# Altium PCB PCB1.PcbDoc
Units mm, origin at the board's own origin, x right, y up, seen from the top; angles counter-clockwise.
Board outline 152.4 x 101.6 mm, 2 copper layers (Top Layer, Bottom Layer); 41 components, 44 nets, 173 pads, 0 vias.
Unrouted connection lines stored in the file: 106.
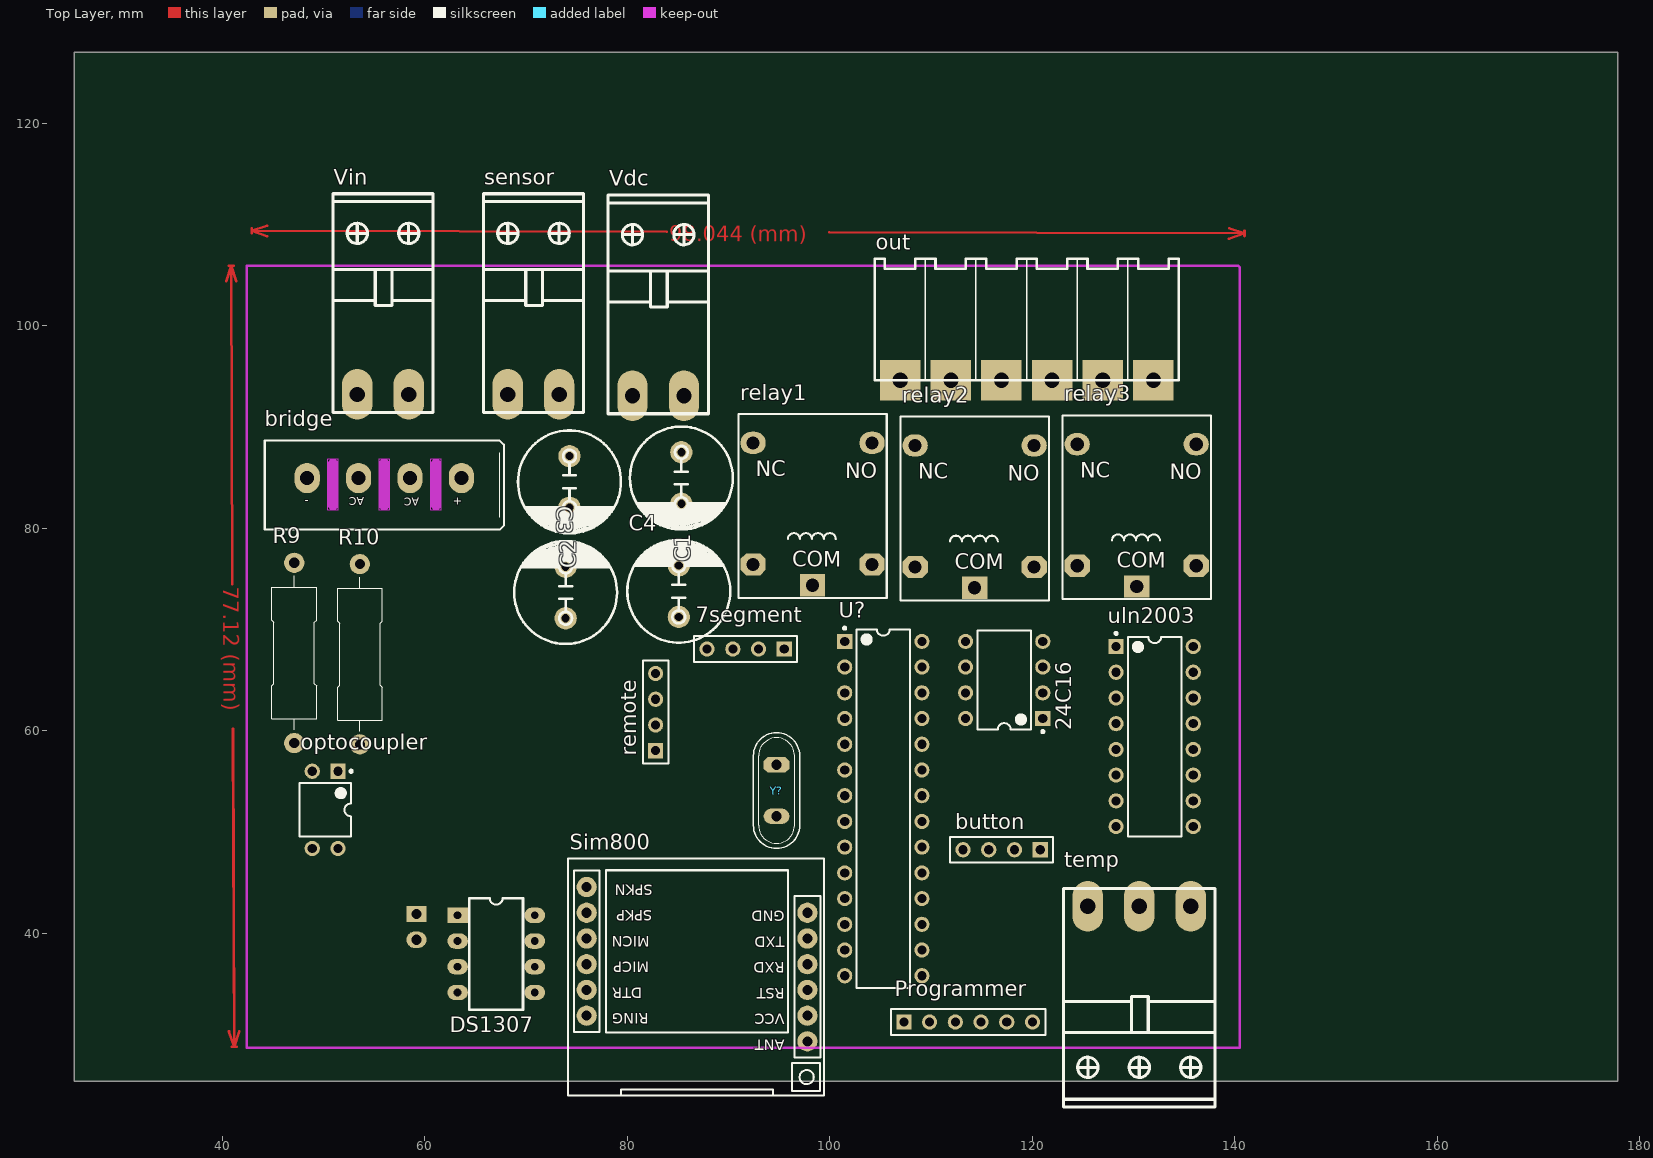
[diagram p0: Top Layer view]
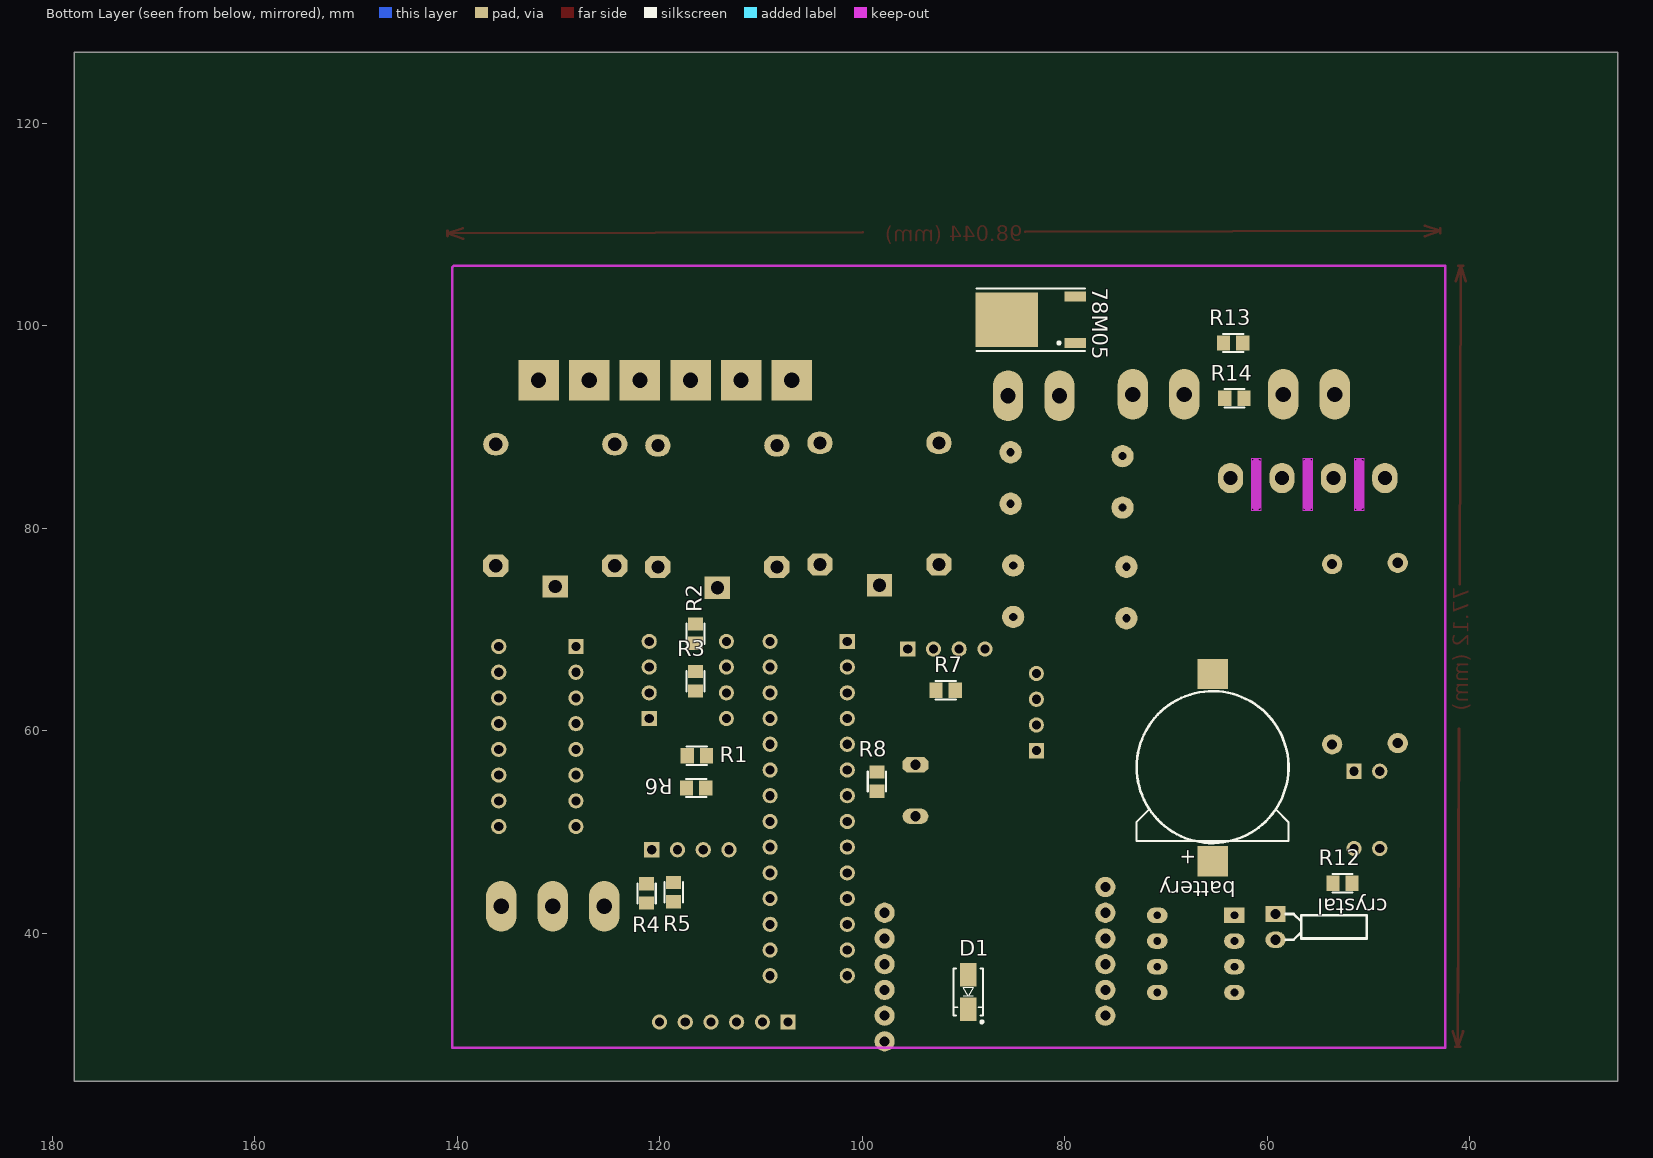
[diagram p1: Bottom Layer view, seen from below]

## Layer stack, top to bottom
Top Solder: solder mask 0.0102, Solder Resist, Dk 3.5
Top Layer: signal copper 0.0356
Dielectric 1: dielectric 0.32, FR-4, Dk 4.8
Bottom Layer: signal copper 0.0356
Bottom Solder: solder mask 0.0102, Solder Resist, Dk 3.5

## Board outline
25.4,25.4 177.8,25.4 177.8,127 25.4,127

## Design rules (kind name [scope] priority, off if disabled: settings)
Clearance [All] p1: gap=0.2 ignorepadtopadclearanceinfootprint=FALSE
PolygonConnect [All] p1: connectstyle=Relief reliefconductorwidth=0.254 reliefentries=4 polygonreliefangle="90 Angle" airgapwidth=0.254
RoutingLayers [All] p1: top layer_v5=FALSE bottom layer_v5=TRUE
RoutingVias [All] p1: holewidth=0.711 width=1.27 viastyle="Through Hole" minholewidth=0.711 minwidth=1.27 maxholewidth=0.711 maxwidth=1.27
SolderMaskExpansion [All] p1: expansion=0.102 istentingtop=FALSE
Width [All] p1: maxlimit=2 minlimit=0.3 preferedwidth=0.5
29 further rules are at their usual default settings.

## Components (designator, comment, footprint, x,y, rotation, side; value= is the part's Value field where it differs from the comment)
7segment "7segment" HDR1X4 95.504,68.072 r180 top
24C16 "24C02C-I/P" PDIP300-P8 117.221,65.024 r180 top
78M05 "L78M05" TO-252 82.35,100.584 r90 bottom
battery "BATTERY 3V 1220" "BATT SMD" 65.405,47.117 r90 bottom (schematic designator *)
bridge "Bridge KBU PACKAGE" "Bridge KBU PACKAGE" 66.871,86.908 r180 top
button "button" HDR1X4 120.777,48.26 r180 top
C1 "470uF" CAP_POL5 85.344,87.503 r270 top value=100pF
C2 "470uF" CAP_POL5 74.295,87.122 r270 top value=100pF
C3 "470uF" CAP_POL5 73.914,71.12 r90 top value=100pF
C4 "470uF" CAP_POL5 85.09,71.247 r90 top value=100pF
crystal "22pF" XTAL-DT26 59.182,41.91 r270 bottom
D1 "1n4007" DIOM4629X24N 89.535,34.212 r270 bottom
DS1307 "DS1307" DIP8 63.246,41.783 r270 top
optocoupler "Optoisolator1" DIP-4 50.165,52.197 r270 top
out "PHOENIX 6" "phonix 6" 131.953,94.615 r180 top
Programmer "programmer" HDR1X6 107.315,31.242 r0 top
R1 "RES" CC2012-0805 116.332,57.531 r180 bottom
R2 "RES" CC2012-0805 116.459,69.596 r270 bottom
R3 "RES" CC2012-0805 116.459,64.897 r270 bottom
R4 "RES" CC2012-0805 121.285,43.942 r270 bottom
R5 "RES" CC2012-0805 118.618,44.069 r270 bottom
R6 "RES" CC2012-0805 116.398,54.356 r0 bottom
R7 "RES" CC2012-0805 91.76,64.008 r180 bottom
R8 "RES" CC2012-0805 98.552,54.991 r270 bottom
R9 "1K" "Axial 1W  7_0mm" 47.117,67.691 r270 top
R10 "1K" "Axial 1W  7_0mm" 53.594,67.564 r270 top
R12 "RES" CC2012-0805 52.578,44.958 r0 bottom
R13 "RES" CC2012-0805 63.373,98.298 r180 bottom
R14 "RES" CC2012-0805 63.246,92.837 r180 bottom
relay1 "" "Relay 18.85x15.35x15.70" 98.298,81.407 r0 top
relay2 "" "Relay 18.85x15.35x15.70" 114.3,81.153 r0 top
relay3 "" "Relay 18.85x15.35x15.70" 130.302,81.28 r0 top
remote "remote" HDR1X4 82.804,58.039 r90 top
sensor "PHONIX2" PHONIX2 73.279,93.218 r0 top
Sim800 "SIM800L" SIM800L_L250W236H60 86.89,36.957 r180 top
temp "PHONIX3" PHONIX3 135.636,42.672 r180 top
U? "ATmega8-16PU" 28P3 105.283,52.324 r0 top
uln2003 "ULN2003AN" N0016A 132.08,59.436 r0 top
Vdc "PHONIX2" PHONIX2 85.598,93.091 r0 top
Vin "PHONIX2" PHONIX2 58.42,93.218 r0 top
Y? "6 MHz" My_Crystal 94.742,54.102 r270 top

## Footprints (in the part's own frame and the unit in brackets; to place one, negate y for a bottom-side part, rotate by r counter-clockwise, add the part's x,y. Pads: shape width x height; smd on the part's side, far side on the other; paste and mask are expansions set on the pad)
28P3 [mm] "28-Pin Plastic Dual In-Line Package (PDIP)"
  rect 1.5x1.5 hole 0.9: 1(-3.81,16.51)
  round 1.5 hole 0.9: 2(-3.81,13.97) 3(-3.81,11.43) 4(-3.81,8.89) 5(-3.81,6.35) 6(-3.81,3.81) 7(-3.81,1.27) 8(-3.81,-1.27) 9(-3.81,-3.81) 10(-3.81,-6.35) 11(-3.81,-8.89) 12(-3.81,-11.43) 13(-3.81,-13.97) 14(-3.81,-16.51) 15(3.81,-16.51) 16(3.81,-13.97) 17(3.81,-11.43) 18(3.81,-8.89) 19(3.81,-6.35) 20(3.81,-3.81) 21(3.81,-1.27) 22(3.81,1.27) 23(3.81,3.81) 24(3.81,6.35) 25(3.81,8.89) 26(3.81,11.43) 27(3.81,13.97) 28(3.81,16.51)
  silkscreen extent -3.93,-17.7 2.65,17.93, body extent -3.6,-17.65 3.6,17.65, height 4.58
"Axial 1W  7_0mm" [mm] "Designer Abbas Basereh"
  round 2 hole 1: 1(8.9,0) 2(-8.9,0)
  silkscreen extent -7.6,-2.2 7.6,2.2, body extent -9.26,-2.25 9.27,2.25, height 5.22
"BATT SMD" [mm]
  rect 3x3 smd: 1(0,0) 2(18.5,0)
  silkscreen extent 1.8,-7.5 16.8,7.5, body extent -0.28,-7.25 18.52,7.5, height 4.23
"Bridge KBU PACKAGE" [mm]
  oval 2.5x3 hole 1.4: 1(3.244,1.945) 2(8.324,1.945) 3(13.404,1.945) 4(18.484,1.945)
  Keep-Out Layer board cut-out: 5.264,5.145 6.264,5.145 6.264,0.045 5.264,0.045
  Keep-Out Layer board cut-out: 10.364,5.145 11.364,5.145 11.364,0.045 10.364,0.045
  Keep-Out Layer board cut-out: 15.464,5.145 16.464,5.145 16.464,0.045 15.464,0.045
  Keep-Out Layer lines w1: 15.939,4.67 15.939,0.52 ; 10.864,4.67 10.864,0.52 ; 5.764,4.67 5.764,0.52
  silkscreen extent -0.94,-1.76 22.66,7.05, body extent -0.75,-1.61 22.45,6.9, height 19.6
CAP_POL5 [mm]
  round 2.2 hole 0.8: 1(0,0) 2(5.08,0)
  silkscreen extent -2.54,-5.08 7.62,5.08, body extent -1.5,-4 6.5,4, height 12
CC2012-0805 [mm] "Surface Mount Capacitor; 0805 Case Size"
  rect 1.3x1.5 smd: 1(-0.95,0) 2(0.95,0)
  silkscreen extent -1,-0.9 1,0.9
DIOM4629X24N [mm] "Molded Diode, 2-Leads, Body 4/60x2/90mm, IPC Medium Density-Design:Abbas Basereh"
  rect 2.3x1.6 smd: 1(-1.7,0) 2(1.7,0)
  silkscreen extent -2.3,-1.45 3.07,1.47, body extent -2.5,-1.22 2.5,1.48, height 2.2
DIP8 [mil]
  rect 60x80 hole 30: 1(0,0)
  oval 60x80 hole 30: 2(100,0) 3(200,0) 4(300,0) 5(300,300) 6(200,300) 7(100,300) 8(0,300)
  silkscreen extent -67,46 367,254
DIP-4 [mm] "DIP; 4 Leads; Row Spacing 7.62 mm; Pitch 2.54 mm"
  rect 1.5x1.5 hole 0.9: 1(-3.81,1.27)
  round 1.5 hole 0.9: 2(-3.81,-1.27) 3(3.81,-1.27) 4(3.81,1.27)
  silkscreen extent -3.93,-2.55 2.65,2.7, body extent -3.15,-2.5 3.15,2.5, height 5.6
HDR1X4 [mm] "Connector; Header; 4 Position"
  rect 1.5x1.5 hole 0.9: 1(0,0)
  round 1.5 hole 0.9: 2(2.54,0) 3(5.08,0) 4(7.62,0)
  silkscreen extent -1.27,-1.27 8.89,1.27, body extent -1.27,-1.28 8.89,1.26, height 8.38
HDR1X6 [mm] "Connector; Header; 6 Position"
  rect 1.5x1.5 hole 0.9: 1(0,0)
  round 1.5 hole 0.9: 2(2.54,0) 3(5.08,0) 4(7.62,0) 5(10.16,0) 6(12.7,0)
  silkscreen extent -1.27,-1.27 13.97,1.27, body extent -1.26,-1.25 13.98,1.29, height 8.38
My_Crystal [mil]
  oct 60x100 hole 40: 1(-100,0)
  oval 60x100 hole 40: 2(100,0)
  silkscreen extent -225,-90 225,90
N0016A [mm] "DIP, 16-Leads, Body 19.7x6.6mm, Pitch 2.54mm"
  rect 1.5x1.5 hole 0.9: 1(-3.81,8.89)
  round 1.5 hole 0.9: 2(-3.81,6.35) 3(-3.81,3.81) 4(-3.81,1.27) 5(-3.81,-1.27) 6(-3.81,-3.81) 7(-3.81,-6.35) 8(-3.81,-8.89) 9(3.81,-8.89) 10(3.81,-6.35) 11(3.81,-3.81) 12(3.81,-1.27) 13(3.81,1.27) 14(3.81,3.81) 15(3.81,6.35) 16(3.81,8.89)
  silkscreen extent -3.93,-9.85 2.65,10.31, body extent -3.95,-9.85 3.95,9.85, height 5.08
PDIP300-P8 [mm] "8-Pin Plastic Dual In-Line Package (PDIP)"
  rect 1.5x1.5 hole 0.9: 1(-3.81,3.81)
  round 1.5 hole 0.9: 2(-3.81,1.27) 3(-3.81,-1.27) 4(-3.81,-3.81) 5(3.81,-3.81) 6(3.81,-1.27) 7(3.81,1.27) 8(3.81,3.81)
  silkscreen extent -3.94,-4.9 2.65,5.23, body extent -3.55,-4.9 3.55,4.9, height 4.32
PHONIX2 [mm]
  oval 3x5 hole 1.5: 1(0,0) 2(-5.08,0)
  silkscreen extent -7.49,-1.78 2.41,19.81
PHONIX3 [mm]
  oval 3x5 hole 1.5: 1(0,0) 2(5.08,0) 3(10.16,0)
  silkscreen extent -2.41,-1.78 12.57,19.81
"phonix 6" [mm]
  rect 4x4 hole 1.5: 1(0,0) 2(5,0) 3(10,0) 4(15,0) 5(20,0) 6(25,0)
  silkscreen extent -2.49,-11.99 27.53,0
"Relay 18.85x15.35x15.70" [mm]
  rect 2.5x2.2 hole 1.3: 1(0,-7.025)
  oval 2.5x2.2 hole 1.3: 2(-5.875,7.025) 3(5.875,7.025)
  oct 2.5x2.2 hole 1.3: 4(-5.875,-4.975) 5(5.875,-4.975)
  silkscreen extent -7.33,-8.28 7.33,9.88, body extent -7.37,-8.71 7.63,9.98, height 15.7
SIM800L_L250W236H60 [mm] "GSM/GPRS Module 25x23/6mm"
  round 2 hole 1: 1(-10.9,7.62) 2(-10.9,5.08) 3(-10.9,2.54) 4(-10.9,0) 5(-10.9,-2.54) 6(-10.9,-5.08) 7(10.9,-7.62) 8(10.9,-5.08) 9(10.9,-2.54) 10(10.9,0) 11(10.9,2.54) 12(10.9,5.08)
  silkscreen extent -12.55,-10.45 12.72,12.95, body extent -12.55,-10.45 12.73,12.95, height 12.24
TO-252 [mm] "D-PAK/TO-252-AA; 3 Leads (1 Cropped); Body 10.1 (inc. leads) x 6.6 mm (LxW max)"
  rect 1x2.1 smd: 1(-2.285,-3.375) 3(2.285,-3.375)
  rect 5.4x6.2 smd: 4(0,3.375)
  silkscreen extent -3.08,-4.33 3.08,6.37, body extent -3.27,-4.11 3.27,5.83, height 2.39
XTAL-DT26 [mm]
  rect 1.6x2 hole 1: 1(0,0)
  oval 1.6x2 hole 1: 2(2.54,0)
  silkscreen extent 0,1.02 2.54,9.02, body extent -0.09,-0.28 2.69,8.1, height 2.05

## Part data
7segment button remote: library part "Header 4", "Header, 4-Pin", LatestRevisionDate=17-Jul-2002, LatestRevisionNote="Re-released for DXP Platform.", Publisher="Altium Limited"
24C16: library part CMP-0159-00018-1, "2Kbit, 400kHz, 5V, I2C Serial EEPROM, 8-Pin PDIP, Industrial Temperature", Code_JEDEC=MS-001, DatasheetVersion="revJ, Aug-2008", PackageDescription="8-Lead Plastic Dual In-Line (P) - 300 mil Body [PDIP]", PackageReference=PDIP300-P8, PackageVersion="revBB, Aug-2009"
78M05: "Precision 500mA Regulator"
C1 C2 C3 C4: library part "Cap Pol3", "Polarized Capacitor (Surface Mount)", Published=8-Jun-2000, Publisher="Altium Limited", Revision="July-2002: Re-released for DXP Platform."
crystal: library part "Cap Semi_1", "Capacitor (Semiconductor SIM Model)", LatestRevisionDate=29-May-2009, LatestRevisionNote="IPC-7351 Footprint Added.", PackageDescription="Chip Capacitor", PackageReference=C1206, Published=8-Jun-2000, Publisher="Altium Limited"
D1: library part "1n4007 SMD M7", "Standard Rectifiers", Manufacturer="DC COMPONENTS", Data=16-12-2016, Designer="Abbas Basereh", Link=http://www.tme.eu/en/details/m7/smd-universal-diodes/dc-components/, Part. No=M7
DS1307: "64 X 8 Serial Real-Time Clock", Package Information="Latest Revision: 1999", Package Reference=DIP8, Datasheet="Latest Revision: 10-Aug-1999", Published=13-Oct-2000, Publisher="Altium Limited", Revision="17-Jul-2002: Re-released for DXP Platform."
optocoupler: "4-Pin Phototransistor Optocoupler", DatasheetVersion=Nov-2003, LatestRevisionDate=04-Mar-2005, LatestRevisionNote="Sch pins 3 & 4 Swapped.", PackageReference=DIP-4, Published=24-Mar-1999, Publisher="Altium Limited"
Programmer: library part "Header 6", "Header, 6-Pin", LatestRevisionDate=17-Jul-2002, LatestRevisionNote="Re-released for DXP Platform.", Publisher="Altium Limited"
R1 R2 R3 R4 R5 R6 R7 R8 R12 R13 R14: "Resistor", DatasheetDocument=Nov-2002, Published=5-Jan-2004, Publisher="Altium Limited"
R9 R10: library part "RES Axial 1W", "RES Axial 1W", Data=4-1-2017, Desc.="RES Axial 1W", Designer="Abbas Basereh"
relay1 relay2 relay3: library part RELAY_SPDT, "Single-Pole Dual-Throw Relay", ComponentLink1Description=Datasheet, Designer="Abbas Basereh", Mounting Technology=Through-Hole, Pin Count=0, Update Date=2017-3-1
Sim800: "GSM/GPRS Module", Publisher=3DFootprint.ir
U?: library part CMP-0095-00372-1, "8-bit AVR Microcontroller, 4.5-5.5V, 16MHz, 8KB Flash, 512 Bytes EEPROM, 1KB SRAM, 28-pin PDIP, Industrial Grade (-40°C to 85°C)", ComponentLink1Description="Manufacturer URL", ComponentLink1URL=http://www.atmel.com/, ComponentLink2Description=ATmega8(L), ComponentLink2URL=http://www.atmel.com/dyn/resources/prod_documents/doc2486.pdf, ComponentLink3Description="ATmega8(L) Summary", ComponentLink3URL=http://www.atmel.com/dyn/resources/prod_documents/2486S.pdf, DatasheetVersion="revZ, Feb-2011", PackageDescription="28-lead (0.300\"/7.62mm Wide) Plastic Dual Inline Package (PDIP)", PackageReference=28P3, PackageVersion="revB, Sep-2001"
uln2003: library part CMP-2000-07352-1, "High-Voltage, High-Current Darlington Transistor Array, 50 V, 500 mA, -20 to 70 degC, 16-Pin PDIP (N), Pb-Free (RoHS), Tube", Manufacturer=TexasInstruments, Maximum Collector Emitter Saturation Voltage=1.1@100mA, Maximum Collector Emitter Voltage=50V, Package=16PDIP, Package Description="16-Pin Plastic In-Line, Body 19.305 x 6.35 mm, Pitch 2.54 mm", Package Reference=N16, Package Version="4040049/E, 12/2002", Peak DC Collector Current=0.5A, Category=DarlingtonBJT, Configuration=Array7, Datasheet URL=http://www.ti.com/general/docs/lit/getliterature.tsp?genericPartNumber=uln2003a&fileType=pdf, Datasheet Version="Rev. O, 01/2016", Manufacturer URL=http://www.ti.com/, Mounting=ThroughHole, Mounting Technology=ThroughHole, Package URL=http://www.ti.com/litv/pdf/mpdi002c, Packaging=Rail/Tube, Rad Hard=No, Type=NPN
Y?: library part CRYSTAL, "Crystal"

## Nets (pads, with @x,y where several pads share a name; then routed paths per layer and width w, separated by ;. In a path a pad name is that pad's centre, name@x,y a point inside that pad or via, vN(x,y) a via of type N, cw(c..) or ccw(c..) an arc to the next point about the centre after c; other vN are vias at no path point)
+3.3v: C4.1 D1.2 Sim800.2
+12: 78M05.1 relay1.5 relay2.5 relay3.5 uln2003.9 Vdc.2
clk: 7segment.1 R8.1 U?.6
dio: 7segment.2 R7.1 U?.11
GND: 7segment.4 24C16.1 24C16.2 24C16.3 24C16.4 78M05.4 battery.2 button.4 C1.2 C2.2 C3.2 C4.2 DS1307.4 optocoupler.3 Programmer.6 remote.4 Sim800.6 temp.1 U?.8 uln2003.8 Vdc.1
key1: button.1 R4.1 U?.14
key2: button.2 R5.1 U?.15
key3: button.3 R6.1 U?.16
miso: Programmer.2 R14.1 sensor.1 U?.18
mosi: Programmer.1 R13.1 sensor.2 U?.17
Netbattery_1: battery.1 DS1307.3
Netbridge_1: bridge.1 R10.2
Netbridge_2: bridge.2 Vin.1
Netbridge_3: bridge.3 Vin.2
Netbridge_4: bridge.4 R9.2
Netcrystal_1: crystal.1 DS1307.1
Netcrystal_2: crystal.2 DS1307.2
Netoptocoupler_1: optocoupler.1 R10.1
Netoptocoupler_2: optocoupler.2 R9.1
Netout_1: out.1 relay3.3
Netout_2: out.2 relay3.1
Netout_3: out.3 relay2.3
Netout_4: out.4 relay2.1
Netout_5: out.5 relay1.3
Netout_6: out.6 relay1.1
Netrelay1_4: relay1.4 uln2003.16
Netrelay2_4: relay2.4 uln2003.15
Netrelay3_4: relay3.4 uln2003.14
out1: U?.23 uln2003.1
out2: U?.24 uln2003.2
out3: U?.25 uln2003.3
poweron: optocoupler.4 R12.1 U?.5 U?.13
remote: remote.2 remote.3 U?.12
reset: Programmer.4 U?.1
RST: Sim800.3 U?.4
RX: Sim800.5 U?.2
sck: Programmer.3 U?.19
scl: 24C16.6 DS1307.6 R3.1 U?.28
sda: 24C16.5 DS1307.5 R2.1 U?.27
temp: R1.2 temp.2 U?.26
TX: Sim800.4 U?.3
vcc: 7segment.3 24C16.8 78M05.3 C1.1 C2.1 C3.1 D1.1 DS1307.8 Programmer.5 R1.1 R2.2 R3.2 R4.2 R5.2 R6.2 R7.2 R8.2 R12.2 R13.2 R14.2 remote.1 temp.3 U?.7
xtal1: U?.9 Y?.1
xtal2: U?.10 Y?.2
pads on no net: 24C16.7 DS1307.7 relay1.2 relay2.2 relay3.2 Sim800.1 Sim800.7 Sim800.8 Sim800.9 Sim800.10 Sim800.11 Sim800.12 U?.20 U?.21 U?.22 uln2003.4 uln2003.5 uln2003.6 uln2003.7 uln2003.10 uln2003.11 uln2003.12 uln2003.13
copper on no net: | length 159.7
  Top Layer w0.254: 40.392,104.392 40.894,105.918 ; 40.64,105.917 41.148,105.919 ; 40.674,30.321 41.188,28.799 ; 40.934,28.798 41.442,28.8 ; 41.014,74.494 40.894,105.918 ; 41.068,60.223 41.188,28.799 ; 41.408,104.396 40.894,105.918 ; 41.69,30.325 41.188,28.799 ; 42.902,109.114 42.904,109.622 ; 44.426,108.856 42.903,109.368 ; 44.428,109.872 42.903,109.368 ; 83.901,109.262 42.903,109.368 ; 99.949,109.22 140.947,109.114 ; 139.422,108.61 140.947,109.114 ; 139.424,109.626 140.947,109.114 ; 140.946,108.86 140.948,109.368

## Keep-outs
Keep-Out Layer:
  lines w0.254: 42.418,28.702 138.938,28.702 140.462,28.702 140.462,105.791 140.335,105.918 42.418,105.918 42.418,28.702

## Other copper
Top Layer:
  text "98.044 (mm)" at 84.153,108.347 h1.52 r359.85
  text "77.12 (mm)" at 40.1,74.236 h1.52 r270.22

## Text inside footprints (layer, text, board x,y; h text height)
battery: Bottom Overlay "+" at 67.205,46.692 h1.52 r270
bridge: Top Overlay "+" at 63.732,83.038 h0.8 r180; Top Overlay "-" at 48.532,83.038 h0.8 r180; Top Overlay "AC" at 54.007,83.088 h0.8 r180; Top Overlay "AC" at 59.457,83.038 h0.8 r180
relay1: Top Overlay "COM" at 96.317,76.225 h1.5; Top Overlay "NO" at 101.549,84.963 h1.5; Top Overlay "NC" at 92.71,85.141 h1.5
relay2: Top Overlay "COM" at 112.319,75.971 h1.5; Top Overlay "NO" at 117.551,84.709 h1.5; Top Overlay "NC" at 108.712,84.887 h1.5
relay3: Top Overlay "COM" at 128.321,76.098 h1.5; Top Overlay "NO" at 133.553,84.836 h1.5; Top Overlay "NC" at 124.714,85.014 h1.5
Sim800: Top Overlay "ANT" at 95.565,29.857 h1.8 r180; Top Overlay "VCC" at 95.565,32.397 h1.8 r180; Top Overlay "RST" at 95.565,34.937 h1.8 r180; Top Overlay "RXD" at 95.565,37.477 h1.8 r180; Top Overlay "TXD" at 95.565,40.017 h1.8 r180; Top Overlay "GND" at 95.565,42.557 h1.8 r180; Top Overlay "SPKN" at 82.54,45.157 h1.8 r180; Top Overlay "SPKP" at 82.49,42.607 h1.8 r180; Top Overlay "MICN" at 82.215,40.082 h1.8 r180; Top Overlay "MICP" at 82.19,37.532 h1.8 r180; Top Overlay "DTR" at 81.49,34.982 h1.8 r180; Top Overlay "RING" at 82.115,32.457 h1.8 r180